# Altium PCB thermal_cam_sensor_jlc.PcbDoc (part 1 of 5) (continued)
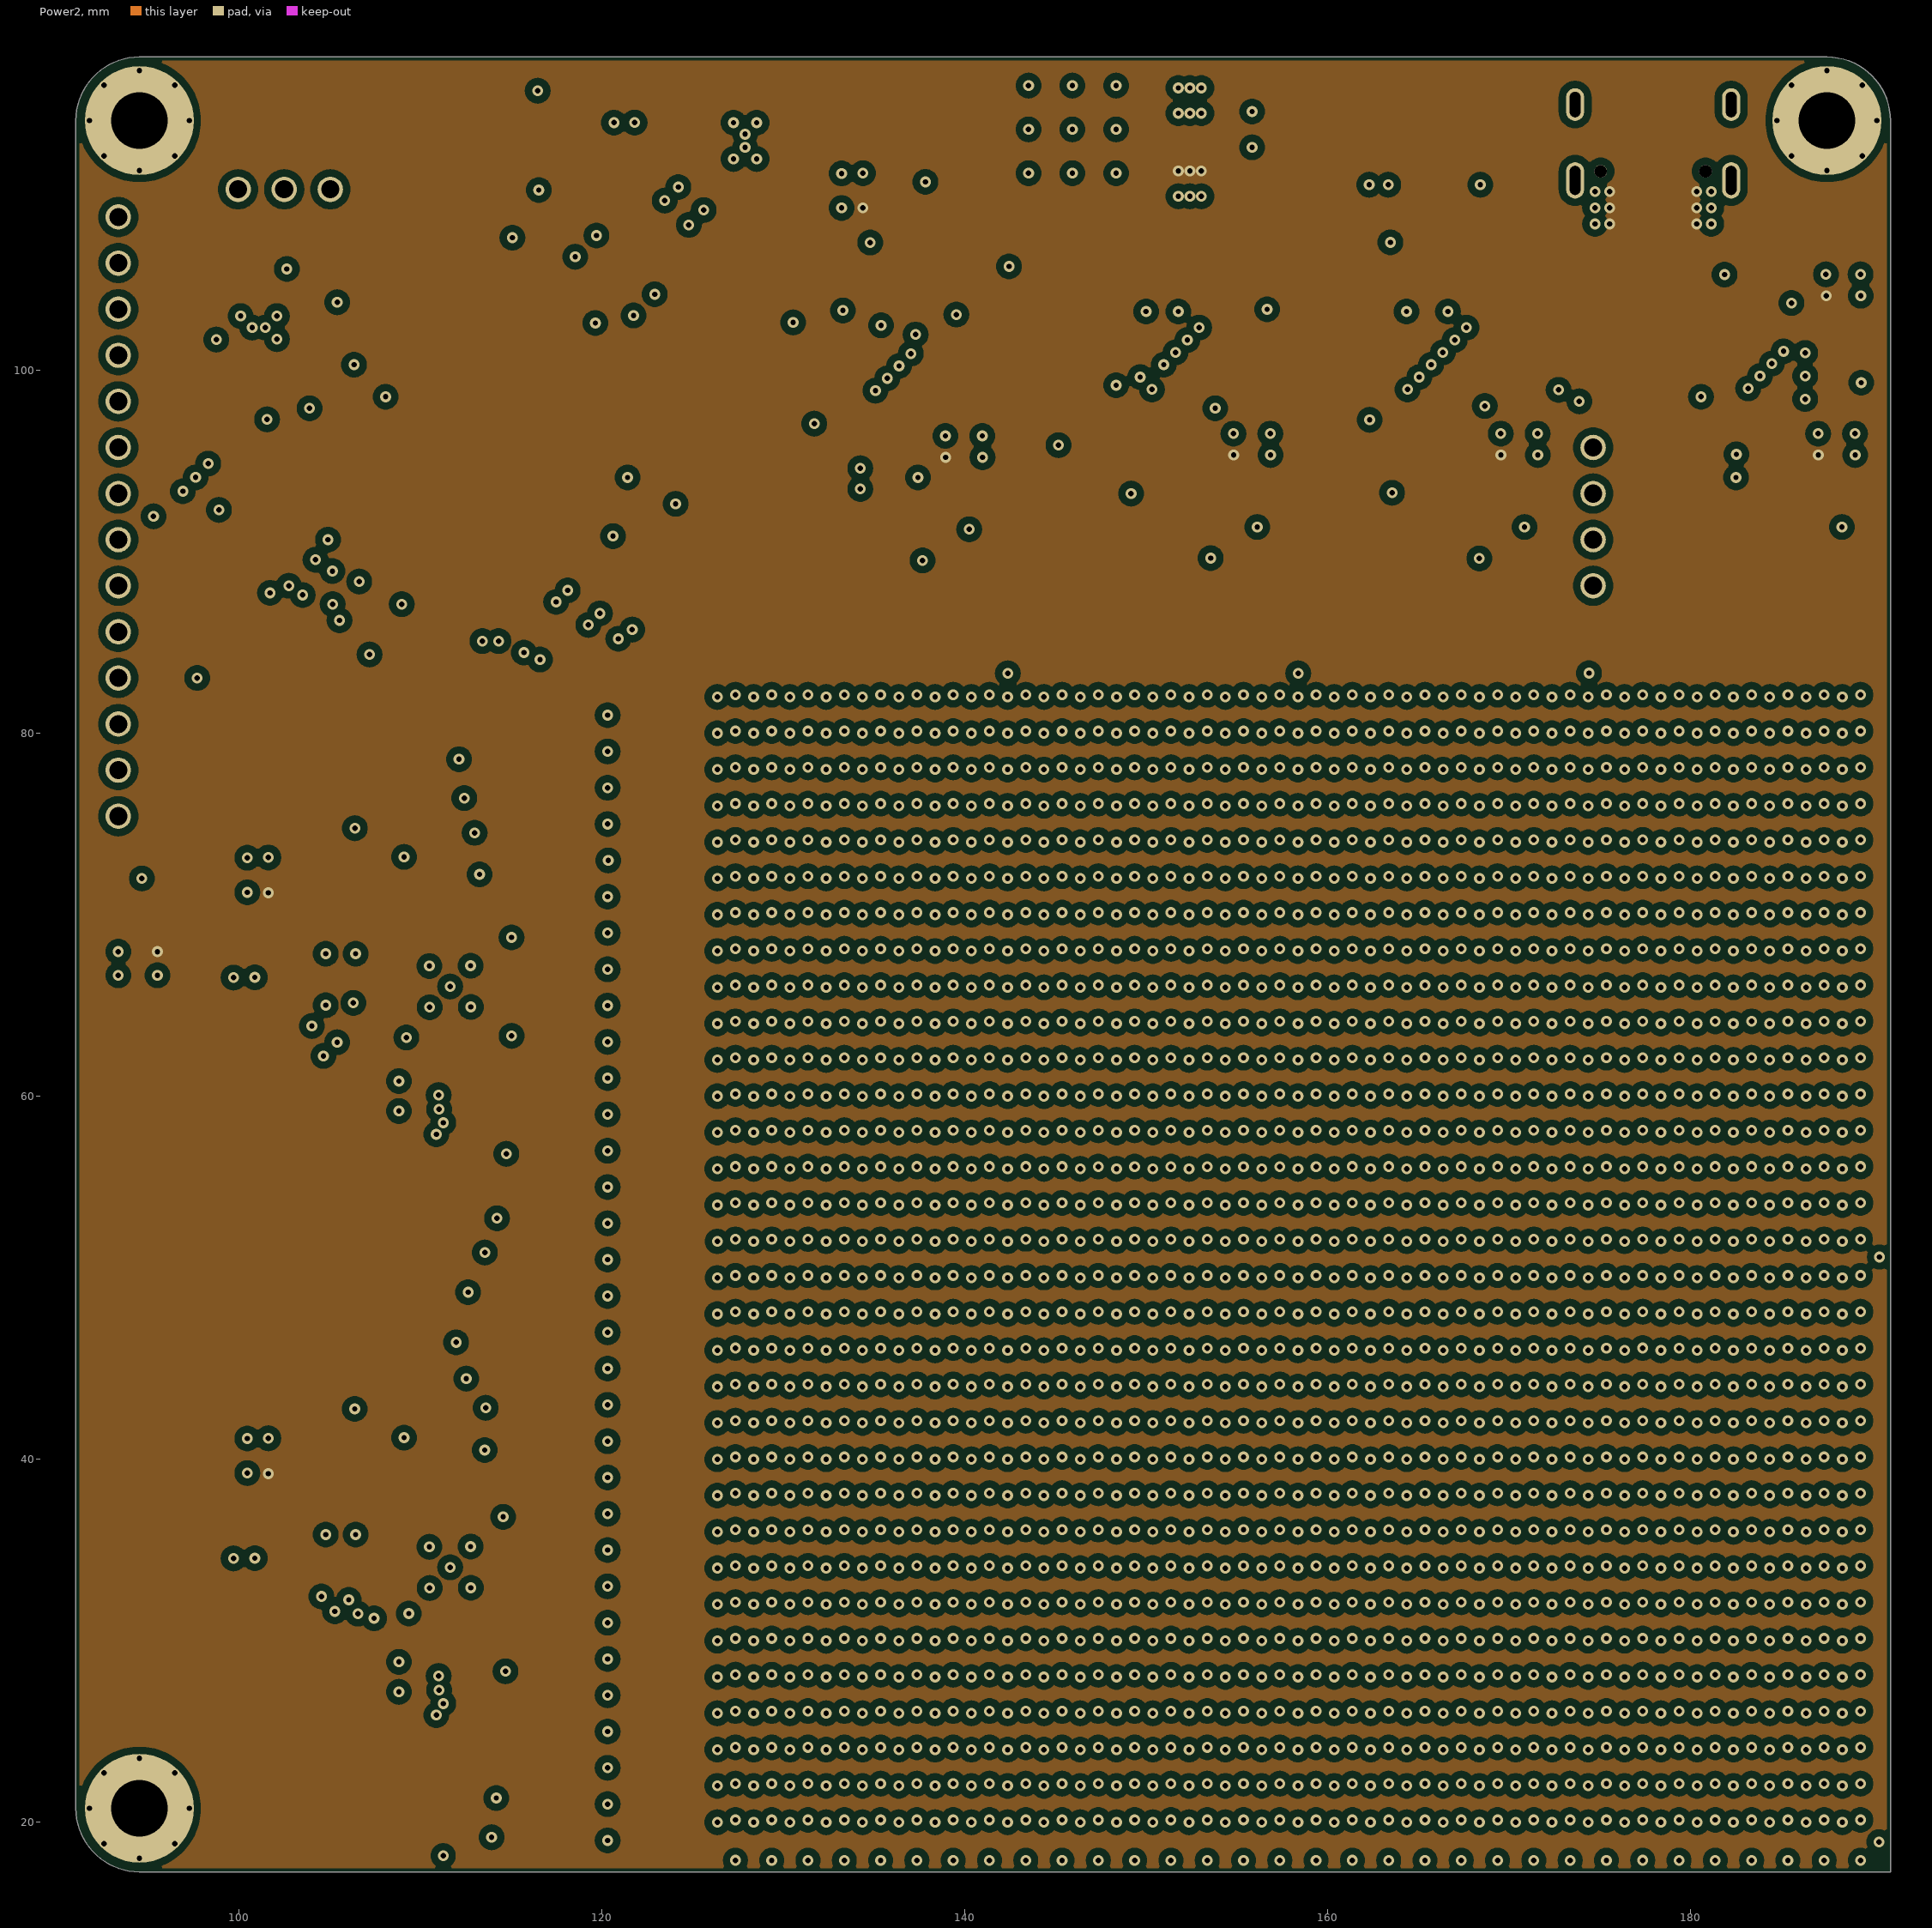
[diagram p4: Power2]
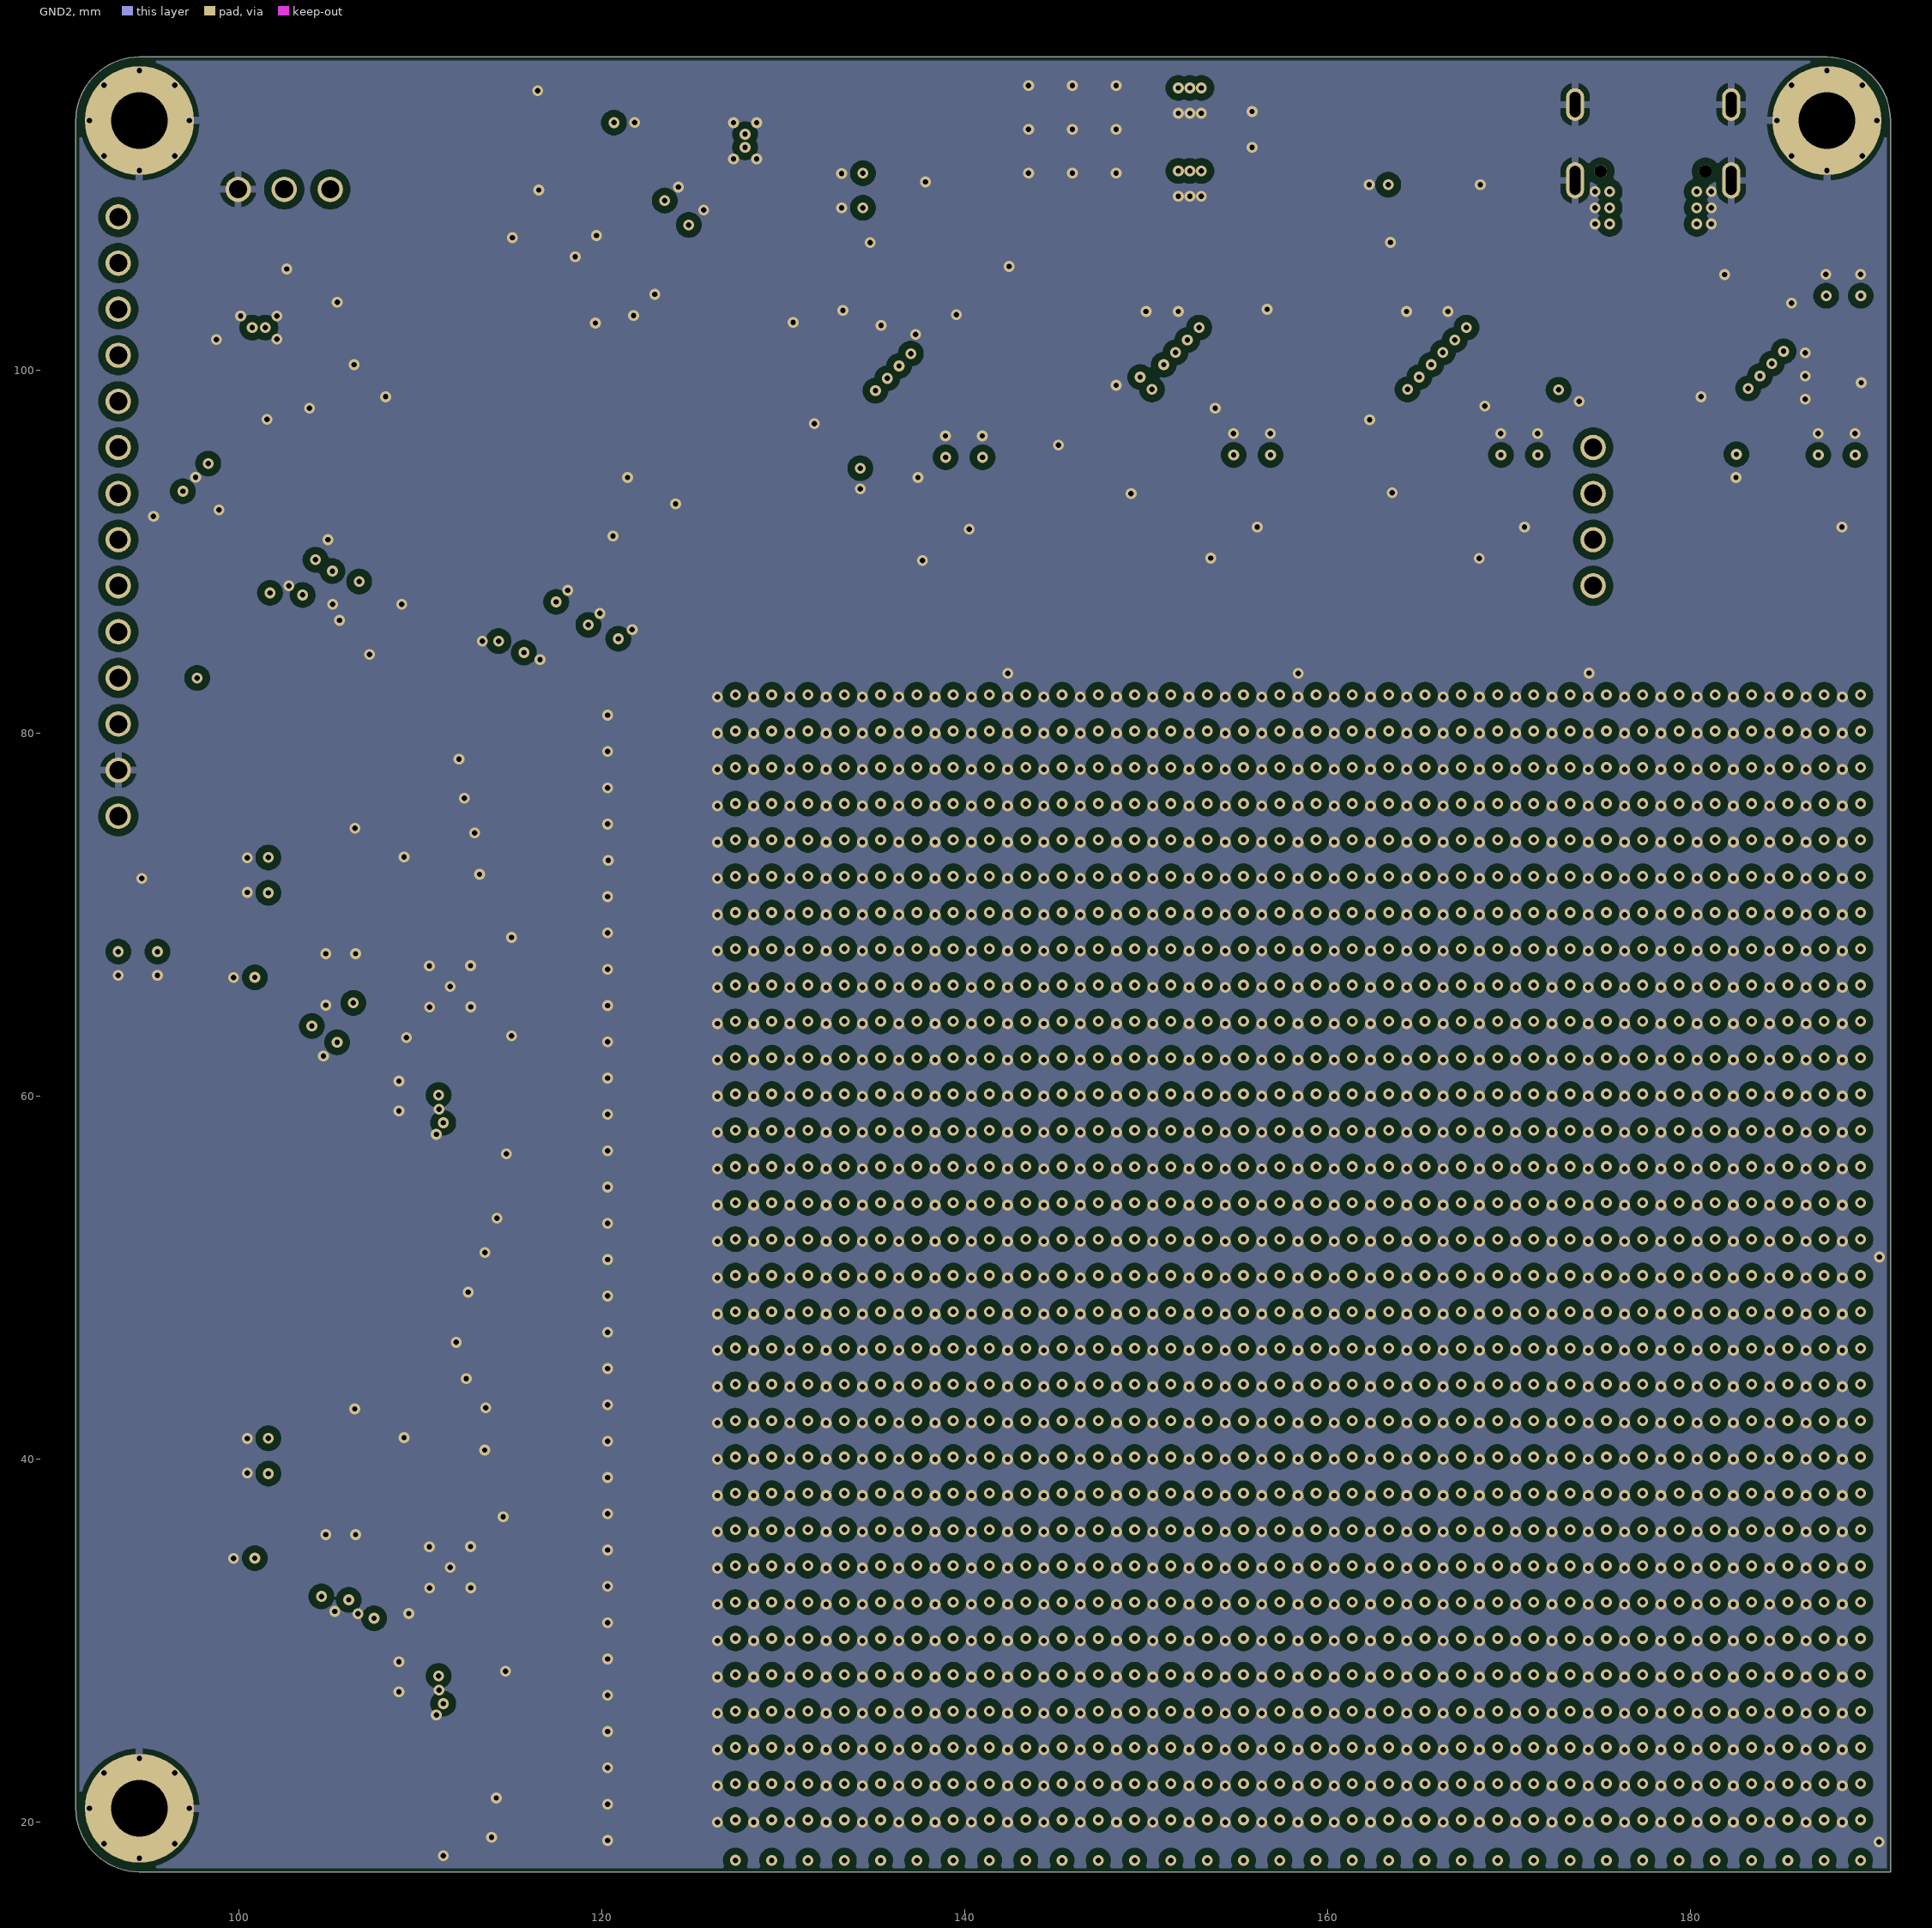
[diagram p5: GND2]

## Layer stack, top to bottom
Top Solder: solder mask 0.0127, Solder Resist, Dk 3.8
Top Layer: signal copper 0.035
Prepreg 1: prepreg 0.0994, PP-015, Dk 4.3
GND1: signal copper 0.0152
Core 1: core 0.55, FR-4, Dk 4.6
Power1: signal copper 0.0152
Prepreg 2: prepreg 0.1088, PP-016, Dk 4.4
Power2: signal copper 0.0152
Core 2: core 0.55, FR-4, Dk 4.6
GND2: signal copper 0.0152
Prepreg 3: prepreg 0.0994, PP-015, Dk 4.3
Bottom Layer: signal copper 0.035
Board Layer Stack Bottom Solder: solder mask 0.0127, Solder Resist, Dk 3.8

## Board outline
91.008,20.772 ccw(c94.508,20.772) 94.508,17.272 191.008,17.272 191.008,113.772 ccw(c187.508,113.772) 187.508,117.272 94.508,117.272 ccw(c94.508,113.772) 91.008,113.772

## Design rules (kind name [scope] priority, off if disabled: settings)
BoardOutlineClearance [All] p1: gap=0.2 ignorepadtopadclearanceinfootprint=FALSE
Clearance TB_Poly [OnLayer('Top Layer') OR OnLayer('Bottom Layer')] p1: gap=0.127 ignorepadtopadclearanceinfootprint=FALSE except(0.09: Arc-Arc Arc-Track Track-Track; 0.2: Arc-Text Track-Text SMDPad-Text THPad-Text Via-Text Fill-Text Region-Text Text-Text; 0.254: Arc-Hole Track-Hole SMDPad-Hole THPad-Hole Via-Hole Fill-Hole Region-Hole Text-Hole; 0.6: Arc-Poly Track-Poly SMDPad-Poly THPad-Poly Via-Poly Fill-Poly Poly-Poly Poly-Region Poly-Text Poly-Hole)
Clearance [All] p2: gap=0.127 ignorepadtopadclearanceinfootprint=FALSE except(0.09: Arc-Arc Arc-Track Track-Track; 0.2: Arc-Text Track-Text SMDPad-Text THPad-Text Via-Text Fill-Text Region-Text Text-Text; 0.254: Arc-Hole Track-Hole SMDPad-Hole THPad-Hole Via-Hole Fill-Hole Region-Hole Text-Hole; 0.4: Arc-Poly Track-Poly SMDPad-Poly THPad-Poly Via-Poly Fill-Poly Poly-Poly Poly-Region Poly-Text Poly-Hole)
ComponentClearance [All] p1: gap=0.089 collisioncheckmode=3 verticalgap=0.089 showdistances=TRUE
DiffPairsRouting [All] p1: maxlimit=0.127 minlimit=0.089 mostfreqgap=0.089 toplayer_mingap=0.127 toplayer_prefgap=0.127 toplayer_minwidth=0.14 toplayer_maxwidth=0.14 toplayer_prefwidth=0.14 bottomlayer_mingap=0.127 bottomlayer_prefgap=0.127 bottomlayer_minwidth=0.14 bottomlayer_maxwidth=0.14 bottomlayer_prefwidth=0.14 impedanceprofiledriven=TRUE impedanceprofileid={3D1B295E-28E9-4D32-B64C-ABB1AE785A3A} impedanceprofilevalue=90.000000 maxuncoupledlength=12.7
Height [All] p1: minheight=0 maxheight=1816.048 prefheight=12.7
HoleSize [All] p1: absolutevalues=TRUE maxlimit=6.3 minlimit=0.2 maxpercent=80.000 minpercent=20.000
HoleToHoleClearance [All] p1: gap=0.25 allowstackedmicrovias=FALSE
MatchedLengths [InNetClass('DIFF90')] p1: tolerance=0.1 checknetsindiffpair=TRUE checkdiffpairvsdiffpair=FALSE checkxsignals=FALSE checkothers=FALSE
MinimumAnnularRing [All] p1: minimumring=0.13
MinimumSolderMaskSliver [All] p1: minsoldermaskwidth=0
PlaneClearance [All] p1: clearance=0.3
PlaneConnect PlaneConnectPowerPads [InPadClass('PowerPads')] p1: planeconnectstyle=Direct reliefexpansion=0.508 reliefentries=4 reliefconductorwidth=0.254 reliefairgap=0.254
PlaneConnect [All] p2: pad.planeconnectstyle=Relief pad.reliefexpansion=0.3 pad.reliefentries=4 pad.reliefconductorwidth=0.4 pad.reliefairgap=0.3 via.planeconnectstyle=Direct via.reliefexpansion=0.3 via.reliefentries=4 via.reliefconductorwidth=0.127 via.reliefairgap=0.127
PolygonConnect [All] p1: thpad.connectstyle=Relief thpad.reliefconductorwidth=0.4 thpad.reliefentries=4 thpad.polygonreliefangle="90 Angle" thpad.airgapwidth=0.3 smdpad.connectstyle=Relief smdpad.reliefconductorwidth=0.4 smdpad.reliefentries=4 smdpad.polygonreliefangle="90 Angle" smdpad.airgapwidth=0.3 via.connectstyle=Direct via.reliefconductorwidth=0.127 via.reliefentries=4 via.polygonreliefangle="90 Angle" via.airgapwidth=0.127
RoomDefinition ADC2 [InComponentClass('ADC2')] p1: confinementstyle=ConfineIn formatcopy=TRUE lockcomponents=FALSE outline 99.949,18.288 124.333,18.288 124.333,49.784 99.949,49.784
RoomDefinition ADC1 [InComponentClass('ADC1')] p2: confinementstyle=ConfineIn formatcopy=TRUE lockcomponents=FALSE outline 99.949,50.292 124.333,50.292 124.333,81.788 99.949,81.788
RoomDefinition Not1 [InComponentClass('Not1')] p3: confinementstyle=ConfineIn formatcopy=TRUE lockcomponents=FALSE outline 181.102,100.965 190.373,100.965 190.373,105.029 181.102,105.029
RoomDefinition MCU [InComponentClass('MCU')] p4: confinementstyle=ConfineIn formatcopy=TRUE lockcomponents=FALSE outline 97.536,83.185 126.238,83.185 126.238,116.459 97.536,116.459
RoomDefinition Dec3 [InComponentClass('Dec3')] p5: confinementstyle=ConfineIn formatcopy=TRUE lockcomponents=FALSE outline 131.826,90.17 141.986,90.17 141.986,98.171 131.826,98.171
RoomDefinition Dec2 [InComponentClass('Dec2')] p6: confinementstyle=ConfineIn formatcopy=TRUE lockcomponents=FALSE outline 147.701,90.297 157.861,90.297 157.861,98.298 147.701,98.298
RoomDefinition Dec1 [InComponentClass('Dec1')] p7: confinementstyle=ConfineIn formatcopy=TRUE lockcomponents=FALSE outline 162.433,90.297 172.593,90.297 172.593,98.298 162.433,98.298
RoomDefinition Dec0 [InComponentClass('Dec0')] p8: confinementstyle=ConfineIn formatcopy=TRUE lockcomponents=FALSE outline 179.832,90.297 190.119,90.297 190.119,98.298 179.832,98.298
RoomDefinition phototransistors [InComponentClass('phototransistors')] p9: confinementstyle=ConfineIn formatcopy=TRUE lockcomponents=FALSE outline 125.095,17.78 190.5,17.78 190.5,83.312 125.095,83.312
RoomDefinition Not2 [InComponentClass('Not2')] p10: confinementstyle=ConfineIn formatcopy=TRUE lockcomponents=FALSE outline 137.541,102.616 137.541,111.887 133.477,111.887 133.477,102.616
RoutingVias [All] p1: holewidth=0.3 width=0.6 viastyle="Through Hole" minholewidth=0.3 minwidth=0.6 maxholewidth=0.3 maxwidth=0.6
SilkToSilkClearance [All] p1: silktosilkclearance=0
SilkToSolderMaskClearance [IsPad] p1: minsilkscreentomaskgap=0.089 clearancetoexposedcopper=TRUE
SolderMaskExpansion [All] p1: expansion=0.05 istentingtop=FALSE
Width [All] p1: maxlimit=1816.048 minlimit=0.09 preferedwidth=0.09
20 further rules are at their usual default settings.

## Classes and differential pairs
component class main: S1 S2 S3
channel class not: Not1 Not2
channel class decoder: Dec0 Dec1 Dec2 Dec3
channel class adc: ADC1 ADC2
net class DIFF90: USBCD_N USBCD_P USBD_N USBD_P
component class UI: C21 F11 F12 LCD1 R20
component class PWR: C19 C20 LED1 R19 U6
component class phototransistors: T1 T2 T3 T4 T5 T6 T7 T8 T9 T10 T11 T12 T13 T14 T15 T16 T17 T18 T19 T20 T21 T22 T23 T24 T25 T26 T27 T28 T29 T30 T31 T32 T33 T34 T35 T36 T37 T38 T39 T40 T41 T42 T43 T44 T45 T46 T47 T48 T49 T50 T51 T52 T53 T54 T55 T56 T57 T58 T59 T60 T61 T62 T63 T64 T65 T66 T67 T68 T69 T70 T71 T72 T73 T74 T75 T76 T77 T78 T79 T80 T81 T82 T83 T84 T85 T86 T87 T88 T89 T90 T91 T92 T93 T94 T95 T96 T97 T98 T99 T100 T101 T102 T103 T104 T105 T106 T107 T108 T109 T110 T111 T112 T113 T114 T115 T116 T117 T118 T119 T120 T121 T122 T123 T124 T125 T126 T127 T128 T129 T130 T131 T132 T133 T134 T135 T136 T137 T138 T139 T140 T141 T142 T143 T144 T145 T146 T147 T148 T149 T150 T151 T152 T153 T154 T155 T156 T157 T158 T159 T160 T161 T162 T163 T164 T165 T166 T167 T168 T169 T170 T171 T172 T173 T174 T175 T176 T177 T178 T179 T180 T181 T182 T183 T184 T185 T186 T187 T188 T189 T190 T191 T192 T193 T194 T195 T196 T197 T198 T199 T200 T201 T202 T203 T204 T205 T206 T207 T208 T209 T210 T211 T212 T213 T214 T215 T216 T217 T218 T219 T220 T221 T222 T223 T224 T225 T226 T227 T228 T229 T230 T231 T232 T233 T234 T235 T236 T237 T238 T239 T240 T241 T242 T243 T244 T245 T246 T247 T248 T249 T250 T251 T252 T253 T254 T255 T256 T257 T258 T259 T260 T261 T262 T263 T264 T265 T266 T267 T268 T269 T270 T271 T272 T273 T274 T275 T276 T277 T278 T279 T280 T281 T282 T283 T284 T285 T286 T287 T288 T289 T290 T291 T292 T293 T294 T295 T296 T297 T298 T299 T300 T301 T302 T303 T304 T305 T306 T307 T308 T309 T310 T311 T312 T313 T314 T315 T316 T317 T318 T319 T320 T321 T322 T323 T324 T325 T326 T327 T328 T329 T330 T331 T332 T333 T334 T335 T336 T337 T338 T339 T340 T341 T342 T343 T344 T345 T346 T347 T348 T349 T350 T351 T352 T353 T354 T355 T356 T357 T358 T359 T360 T361 T362 T363 T364 T365 T366 T367 T368 T369 T370 T371 T372 T373 T374 T375 T376 T377 T378 T379 T380 T381 T382 T383 T384 T385 T386 T387 T388 T389 T390 T391 T392 T393 T394 T395 T396 T397 T398 T399 T400 T401 T402 T403 T404 T405 T406 T407 T408 T409 T410 T411 T412 T413 T414 T415 T416 T417 T418 T419 T420 T421 T422 T423 T424 T425 T426 T427 T428 T429 T430 T431 T432 T433 T434 T435 T436 T437 T438 T439 T440 T441 T442 T443 T444 T445 T446 T447 T448 T449 T450 T451 T452 T453 T454 T455 T456 T457 T458 T459 T460 T461 T462 T463 T464 T465 T466 T467 T468 T469 T470 T471 T472 T473 T474 T475 T476 T477 T478 T479 T480 T481 T482 T483 T484 T485 T486 T487 T488 T489 T490 T491 T492 T493 T494 T495 T496 T497 T498 T499 T500 T501 T502 T503 T504 T505 T506 T507 T508 T509 T510 T511 T512 T513 T514 T515 T516 T517 T518 T519 T520 T521 T522 T523 T524 T525 T526 T527 T528 T529 T530 T531 T532 T533 T534 T535 T536 T537 T538 T539 T540 T541 T542 T543 T544 T545 T546 T547 T548 T549 T550 T551 T552 T553 T554 T555 T556 T557 T558 T559 T560 T561 T562 T563 T564 T565 T566 T567 T568 T569 T570 T571 T572 T573 T574 T575 T576 T577 T578 T579 T580 T581 T582 T583 T584 T585 T586 T587 T588 T589 T590 T591 T592 T593 T594 T595 T596 T597 T598 T599 T600 T601 T602 T603 T604 T605 T606 T607 T608 T609 T610 T611 T612 T613 T614 T615 T616 T617 T618 T619 T620 T621 T622 T623 T624 T625 T626 T627 T628 T629 T630 T631 T632 T633 T634 T635 T636 T637 T638 T639 T640 T641 T642 T643 T644 T645 T646 T647 T648 T649 T650 T651 T652 T653 T654 T655 T656 T657 T658 T659 T660 T661 T662 T663 T664 T665 T666 T667 T668 T669 T670 T671 T672 T673 T674 T675 T676 T677 T678 T679 T680 T681 T682 T683 T684 T685 T686 T687 T688 T689 T690 T691 T692 T693 T694 T695 T696 T697 T698 T699 T700 T701 T702 T703 T704 T705 T706 T707 T708 T709 T710 T711 T712 T713 T714 T715 T716 T717 T718 T719 T720 T721 T722 T723 T724 T725 T726 T727 T728 T729 T730 T731 T732 T733 T734 T735 T736 T737 T738 T739 T740 T741 T742 T743 T744 T745 T746 T747 T748 T749 T750 T751 T752 T753 T754 T755 T756 T757 T758 T759 T760 T761 T762 T763 T764 T765 T766 T767 T768 T769 T770 T771 T772 T773 T774 T775 T776 T777 T778 T779 T780 T781 T782 T783 T784 T785 T786 T787 T788 T789 T790 T791 T792 T793 T794 T795 T796 T797 T798 T799 T800 T801 T802 T803 T804 T805 T806 T807 T808 T809 T810 T811 T812 T813 T814 T815 T816 T817 T818 T819 T820 T821 T822 T823 T824 T825 T826 T827 T828 T829 T830 T831 T832 T833 T834 T835 T836 T837 T838 T839 T840 T841 T842 T843 T844 T845 T846 T847 T848 T849 T850 T851 T852 T853 T854 T855 T856 T857 T858 T859 T860 T861 T862 T863 T864 T865 T866 T867 T868 T869 T870 T871 T872 T873 T874 T875 T876 T877 T878 T879 T880 T881 T882 T883 T884 T885 T886 T887 T888 T889 T890 T891 T892 T893 T894 T895 T896 T897 T898 T899 T900 T901 T902 T903 T904 T905 T906 T907 T908 T909 T910 T911 T912 T913 T914 T915 T916 T917 T918 T919 T920 T921 T922 T923 T924 T925 T926 T927 T928 T929 T930 T931 T932 T933 T934 T935 T936 T937 T938 T939 T940 T941 T942 T943 T944 T945 T946 T947 T948 T949 T950 T951 T952 T953 T954 T955 T956 T957 T958 T959 T960 T961 T962 T963 T964 T965 T966 T967 T968 T969 T970 T971 T972 T973 T974 T975 T976 T977 T978 T979 T980 T981 T982 T983 T984 T985 T986 T987 T988 T989 T990 T991 T992 T993 T994 T995 T996 T997 T998 T999 T1000 T1001 T1002 T1003 T1004 T1005 T1006 T1007 T1008 T1009 T1010 T1011 T1012 T1013 T1014 T1015 T1016 T1017 T1018 T1019 T1020 T1021 T1022 T1023 T1024
component class Not2: 2C7 2F6 2F7 2U4
component class Not1: 1C7 1F6 1F7 1U4
component class MCU: C8 C9 C10 C11 C12 C13 C14 C15 C16 C17 C18 F8 F9 F10 R17 R18 U5
component class Decs: TP18 TP19 TP20 TP21 TP22 TP23 TP24 TP25 TP26 TP27 TP28 TP29 TP30 TP31 TP32 TP33 TP34 TP35 TP36 TP37 TP38 TP39 TP40 TP41 TP42 TP43 TP44 TP45 TP46 TP47 TP48 TP49 TP50 TP51 TP52 TP53 TP54 TP55 TP56 TP57
component class Dec3: 4C6 4F4 4F5 4U3
component class Dec2: 3C6 3F4 3F5 3U3
component class Dec1: 2C6 2F4 2F5 2U3
component class Dec0: 1C6 1F4 1F5 1U3
component class Connectors: C22 F13 J1 J2 U7
component class ADC2: 2C1 2C2 2C3 2C4 2C5 2F1 2F2 2F3 2R1 2R2 2R3 2R4 2R5 2R6 2R7 2R8 2R9 2R10 2R11 2R12 2R13 2R14 2R15 2R16 2TP1 2TP2 2TP3 2TP4 2TP5 2TP6 2TP7 2TP8 2TP9 2TP10 2TP11 2TP12 2TP13 2TP14 2TP15 2TP16 2TP17 2U1 2U2
component class ADC1: 1C1 1C2 1C3 1C4 1C5 1F1 1F2 1F3 1R1 1R2 1R3 1R4 1R5 1R6 1R7 1R8 1R9 1R10 1R11 1R12 1R13 1R14 1R15 1R16 1TP1 1TP2 1TP3 1TP4 1TP5 1TP6 1TP7 1TP8 1TP9 1TP10 1TP11 1TP12 1TP13 1TP14 1TP15 1TP16 1TP17 1U1 1U2
differential pair USBD: +USBD_P -USBD_N
differential pair USBCD: +USBCD_P -USBCD_N

## Components (designator, comment, footprint, x,y, rotation, side; value= is the part's Value field where it differs from the comment)
1C1 "100nF" "CAP 0603_1608" 104.775,67.21 r270 top (schematic designator C1)
1C2 "100nF" "CAP 0603_1608" 109.459,60.845 r0 top (schematic designator C2)
1C3 "10uF" "CAP 0603_1608" 106.426,67.21 r270 top (schematic designator C3)
1C4 "10uF" "CAP 0603_1608" 109.459,59.194 r0 top (schematic designator C4)
1C5 "100nF" "CAP 0603_1608" 109.093,72.548 r270 top (schematic designator C5)
1C6 "100nF" "CAP 0603_1608" 187.685,91.377 r180 top (schematic designator C6)
1C7 "100nF" "CAP 0603_1608" 185.552,103.068 r270 top (schematic designator C7)
1F1 "121@100MHz" Ferrite-0805 101.87,66.56 r0 top (schematic designator F1)
1F2 "121@100MHz" Ferrite-0805 102.632,73.164 r180 top (schematic designator F2)
1F3 "121@100MHz" Ferrite-0805 102.616,71.259 r180 top (schematic designator F3)
1F4 "121@100MHz" Ferrite-0805 189.067,94.345 r270 top (schematic designator F4)
1F5 "121@100MHz" Ferrite-0805 187.035,94.345 r270 top (schematic designator F5)
1F6 "121@100MHz" Ferrite-0805 189.372,103.12 r270 top (schematic designator F6)
1F7 "121@100MHz" Ferrite-0805 187.467,103.12 r270 top (schematic designator F7)
1R1 "162" "RES 0402_1005" 120.887,51.006 r180 top (schematic designator R1)
1R2 "162" "RES 0402_1005" 120.887,53.006 r180 top (schematic designator R2)
1R3 "162" "RES 0402_1005" 120.887,55.006 r180 top (schematic designator R3)
1R4 "162" "RES 0402_1005" 120.887,57.006 r180 top (schematic designator R4)
1R5 "162" "RES 0402_1005" 120.887,59.006 r180 top (schematic designator R5)
1R6 "162" "RES 0402_1005" 120.887,61.006 r180 top (schematic designator R6)
1R7 "162" "RES 0402_1005" 120.887,63.006 r180 top (schematic designator R7)
1R8 "162" "RES 0402_1005" 120.887,65.006 r180 top (schematic designator R8)
1R9 "162" "RES 0402_1005" 120.887,67.006 r0 top (schematic designator R9)
1R10 "162" "RES 0402_1005" 120.887,69.006 r0 top (schematic designator R10)
1R11 "162" "RES 0402_1005" 120.887,71.006 r0 top (schematic designator R11)
1R12 "162" "RES 0402_1005" 120.887,73.006 r0 top (schematic designator R12)
1R13 "162" "RES 0402_1005" 120.887,75.006 r0 top (schematic designator R13)
1R14 "162" "RES 0402_1005" 120.887,77.006 r0 top (schematic designator R14)
1R15 "162" "RES 0402_1005" 120.887,79.006 r0 top (schematic designator R15)
1R16 "162" "RES 0402_1005" 120.887,81.006 r0 top (schematic designator R16)
1TP1 "Test Point" TEST_POINT_0R5#1 123.846,51.006 r180 top (schematic designator TP1)
1TP2 "Test Point" TEST_POINT_0R5#1 123.846,53.006 r180 top (schematic designator TP2)
1TP3 "Test Point" TEST_POINT_0R5#1 123.846,55.006 r180 top (schematic designator TP3)
1TP4 "Test Point" TEST_POINT_0R5#1 123.846,57.006 r180 top (schematic designator TP4)
1TP5 "Test Point" TEST_POINT_0R5#1 123.846,59.006 r180 top (schematic designator TP5)
1TP6 "Test Point" TEST_POINT_0R5#1 123.846,61.006 r180 top (schematic designator TP6)
1TP7 "Test Point" TEST_POINT_0R5#1 123.846,63.006 r180 top (schematic designator TP7)
1TP8 "Test Point" TEST_POINT_0R5#1 123.846,65.006 r180 top (schematic designator TP8)
1TP9 "Test Point" TEST_POINT_0R5#1 123.846,67.006 r180 top (schematic designator TP9)
1TP10 "Test Point" TEST_POINT_0R5#1 123.846,69.006 r180 top (schematic designator TP10)
1TP11 "Test Point" TEST_POINT_0R5#1 123.846,71.006 r180 top (schematic designator TP11)
1TP12 "Test Point" TEST_POINT_0R5#1 123.846,73.006 r180 top (schematic designator TP12)
1TP13 "Test Point" TEST_POINT_0R5#1 123.846,75.006 r180 top (schematic designator TP13)
1TP14 "Test Point" TEST_POINT_0R5#1 123.846,77.006 r180 top (schematic designator TP14)
1TP15 "Test Point" TEST_POINT_0R5#1 123.846,79.006 r180 top (schematic designator TP15)
1TP16 "Test Point" TEST_POINT_0R5#1 123.846,81.006 r180 top (schematic designator TP16)
1TP17 "Test Point" TEST_POINT_0R5#1 107.315,69.596 r0 top (schematic designator TP17)
1U1 "MAX11131ATI+" TQFN-28 111.633,66.056 r180 top (schematic designator U1)
1U2 "REF34xx" SOT23-6L 107.315,73.818 r180 top (schematic designator U2)